# KiCad board DIP8breakout+potToUSB.kicad_pcb (continued)
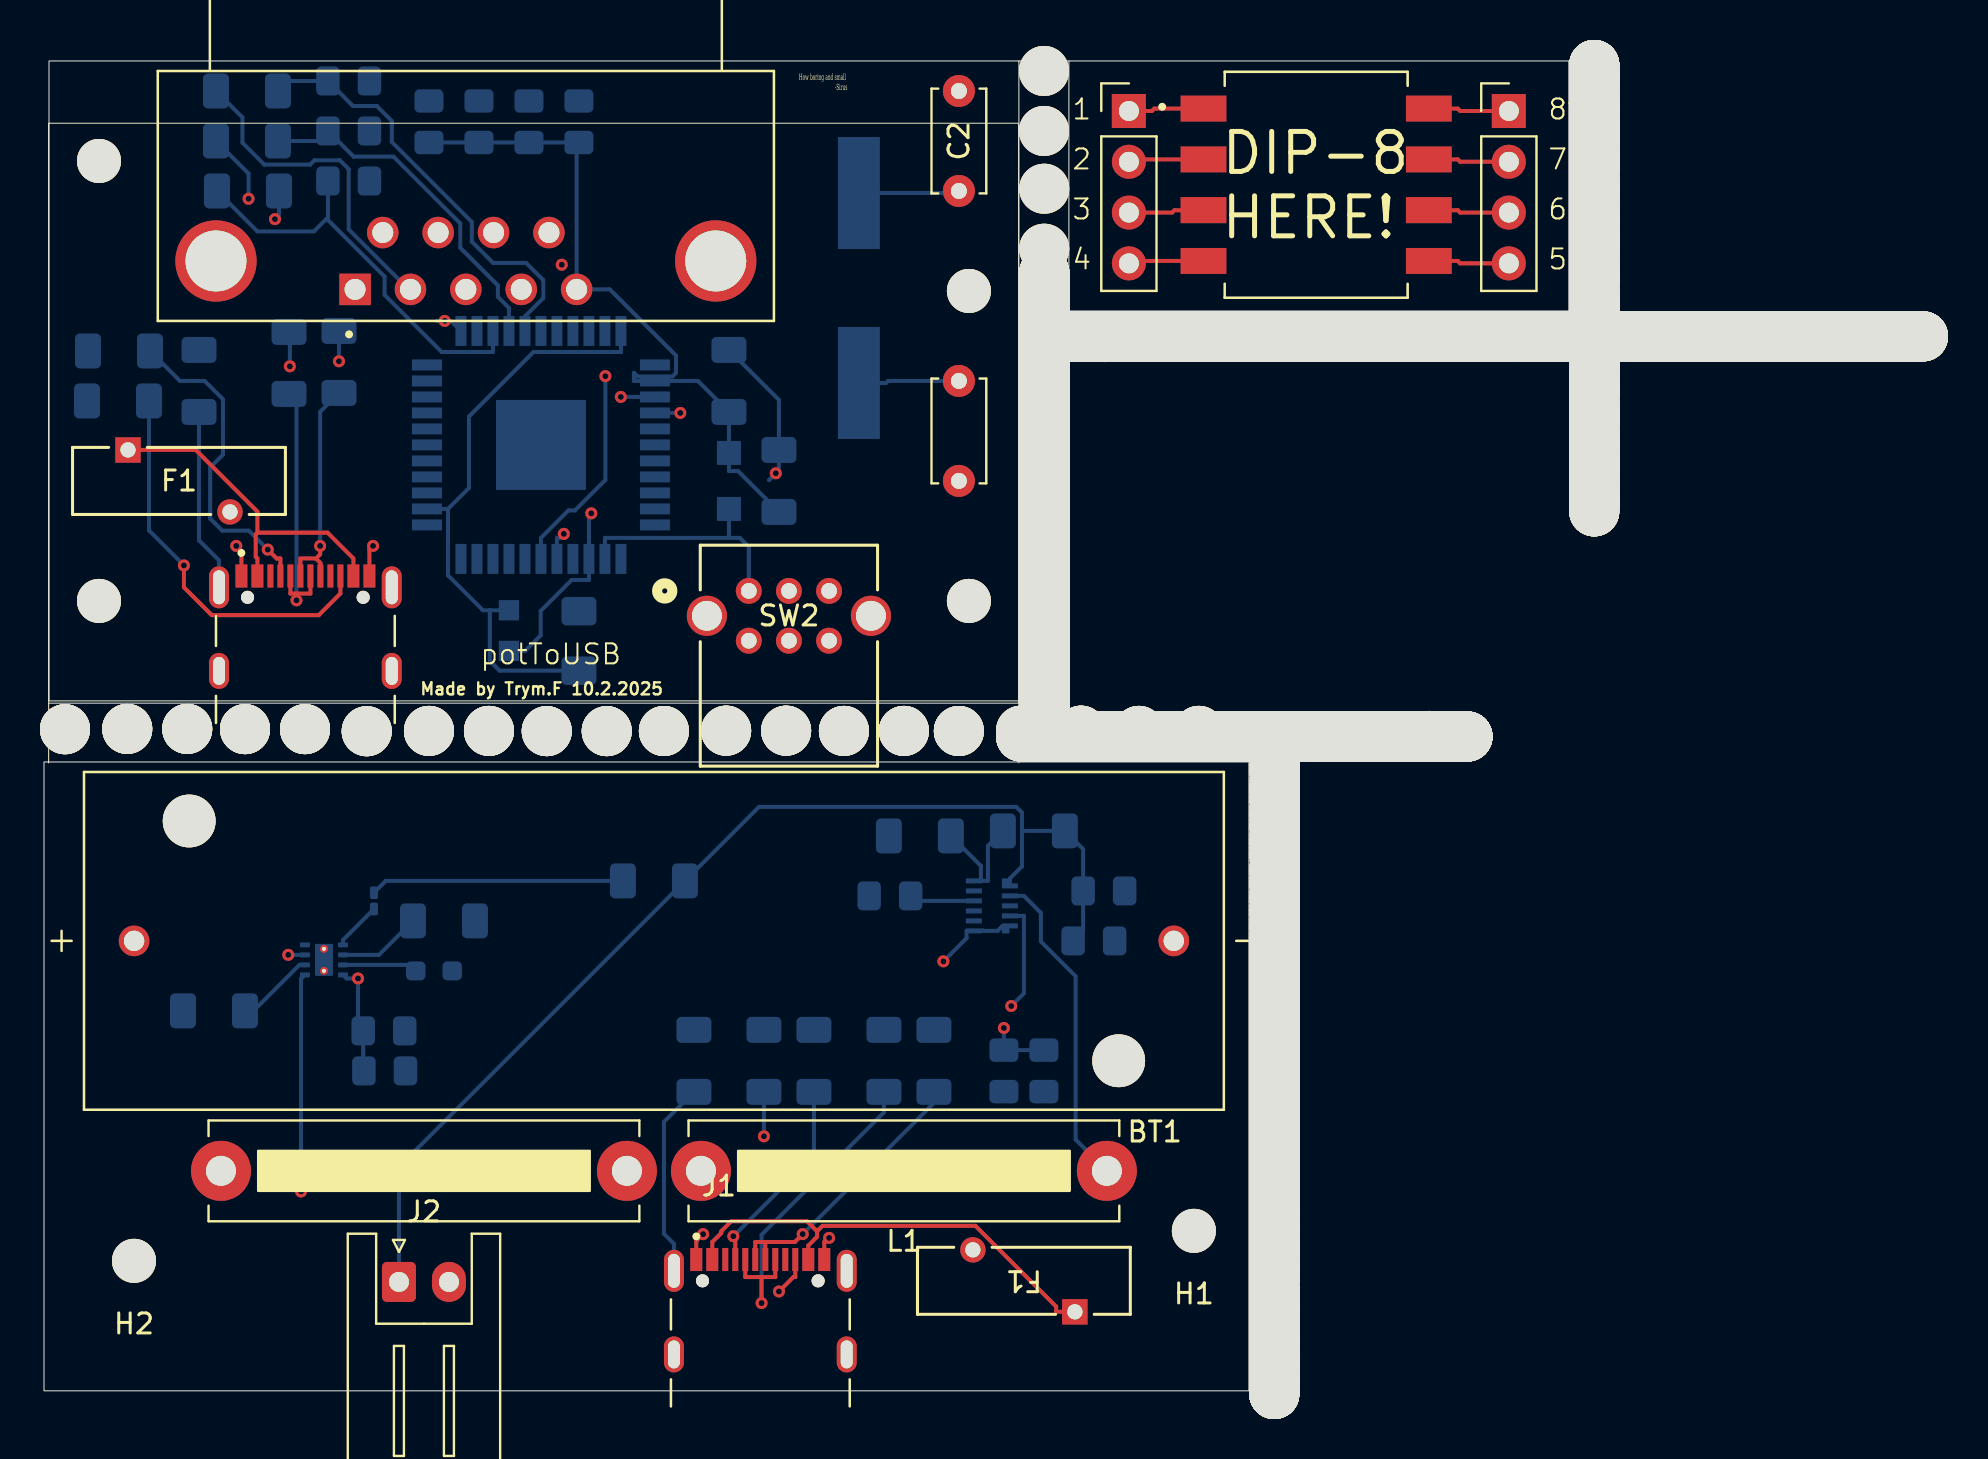
[diagram p0: board, top side]
## Placement (name value [footprint] x y rotation side) (continued)
NOREF#8726  -  [unnamed]  61.55 21.47 180 bottom
NOREF#8727  -  [unnamed]  67.4 52.73 270 bottom
NOREF#8728  -  [unnamed]  61.55 22.13 180 bottom
NOREF#8729  -  [unnamed]  76.46 52.73 270 bottom
NOREF#8730  -  [unnamed]  67.14 52.73 270 bottom
NOREF#8731  -  [unnamed]  61.52 0.9 0 bottom
NOREF#8732  -  [unnamed]  61.55 31.73 180 bottom
NOREF#8733  -  [unnamed]  50.02 49.21 180 bottom
NOREF#8734  -  [unnamed]  77.52 64.7 180 bottom
NOREF#8735  -  [unnamed]  61.55 12.97 180 bottom
NOREF#8736  -  [unnamed]  66.94 52.73 270 bottom
NOREF#8737  -  [unnamed]  61.55 23.63 180 bottom
NOREF#8738  -  [unnamed]  78.14 52.73 270 bottom
NOREF#8739  -  [unnamed]  71.44 52.73 270 bottom
NOREF#8740  -  [unnamed]  92.9 52.73 270 bottom
NOREF#8741  -  [unnamed]  85.16 52.73 270 bottom
NOREF#8742  -  [unnamed]  50.02 42.85 180 bottom
NOREF#8743  -  [unnamed]  61.55 11.87 180 bottom
NOREF#8744  -  [unnamed]  61.55 13.63 180 bottom
NOREF#8745  -  [unnamed]  50.02 38.61 180 bottom
NOREF#8746  -  [unnamed]  61.55 31.73 180 bottom
NOREF#8747  -  [unnamed]  77.52 56.3 180 bottom
NOREF#8748  -  [unnamed]  61.55 14.43 180 bottom
NOREF#8749  -  [unnamed]  59.06 32.72 90 bottom
NOREF#8750  -  [unnamed]  53.18 52.73 270 bottom
NOREF#8751  -  [unnamed]  50.02 41.03 180 bottom
NOREF#8752  -  [unnamed]  77.52 45.58 180 bottom
NOREF#8753  -  [unnamed]  50.02 37.21 180 bottom
NOREF#8754  -  [unnamed]  57.26 32.72 90 bottom
NOREF#8755  -  [unnamed]  77.52 59.26 180 bottom
NOREF#8756  -  [unnamed]  50.02 45.25 180 bottom
NOREF#8757  -  [unnamed]  61.52 4.86 0 bottom
NOREF#8758  -  [unnamed]  61.52 11.3 0 bottom
NOREF#8759  -  [unnamed]  50.02 47.31 180 bottom
NOREF#8760  -  [unnamed]  77.52 59.6 180 bottom
NOREF#8761  -  [unnamed]  66 52.73 270 bottom
NOREF#8762  -  [unnamed]  61.55 24.29 180 bottom
NOREF#8763  -  [unnamed]  61.52 20.36 0 bottom
NOREF#8764  -  [unnamed]  78.88 52.73 270 bottom
NOREF#8765  -  [unnamed]  52.48 32.72 90 bottom
NOREF#8766  -  [unnamed]  74.6 52.73 270 bottom
NOREF#8767  -  [unnamed]  61.55 29.87 180 bottom
NOREF#8768  -  [unnamed]  57.66 32.72 90 bottom
NOREF#8769  -  [unnamed]  61.52 0.5 0 bottom
NOREF#8770  -  [unnamed]  61.52 21.1 0 bottom
NOREF#8771  -  [unnamed]  61.52 7.08 0 bottom
NOREF#8772  -  [unnamed]  50.02 40.09 180 bottom
NOREF#8773  -  [unnamed]  50.02 41.49 180 bottom
NOREF#8774  -  [unnamed]  50.02 52.95 180 bottom
NOREF#8775  -  [unnamed]  77.52 58.66 180 bottom
NOREF#8776  -  [unnamed]  52.18 52.73 270 bottom
NOREF#8777  -  [unnamed]  61.55 12.77 180 bottom
NOREF#8778  -  [unnamed]  73.9 52.73 270 bottom
NOREF#8779  -  [unnamed]  50.02 47.51 180 bottom
NOREF#8780  -  [unnamed]  50.02 53.85 180 bottom
NOREF#8781  -  [unnamed]  80.9 52.73 270 bottom
NOREF#8782  -  [unnamed]  61.55 18.41 180 bottom
NOREF#8783  -  [unnamed]  51.12 32.72 90 bottom
NOREF#8784  -  [unnamed]  61.55 25.63 180 bottom
NOREF#8785  -  [unnamed]  77.52 46.44 180 bottom
NOREF#8786  -  [unnamed]  77.52 61.54 180 bottom
NOREF#8787  -  [unnamed]  77.52 58.2 180 bottom
NOREF#8788  -  [unnamed]  51.98 52.73 270 bottom
NOREF#8789  -  [unnamed]  77.52 53.44 180 bottom
NOREF#8790  -  [unnamed]  83.96 52.73 270 bottom
NOREF#8791  -  [unnamed]  59.72 32.72 90 bottom
NOREF#8792  -  [unnamed]  61.55 31.73 180 bottom
NOREF#8793  -  [unnamed]  50.02 42.65 180 bottom
NOREF#8794  -  [unnamed]  69.58 32.72 90 bottom
NOREF#8795  -  [unnamed]  62.58 52.73 270 bottom
NOREF#8796  -  [unnamed]  92.56 52.73 270 bottom
NOREF#8797  -  [unnamed]  67.2 52.73 270 bottom
NOREF#8798  -  [unnamed]  50.02 44.25 180 bottom
NOREF#8799  -  [unnamed]  51.12 32.72 90 bottom
NOREF#8800  -  [unnamed]  87.26 52.73 270 bottom
NOREF#8801  -  [unnamed]  77.52 46.64 180 bottom
NOREF#8802  -  [unnamed]  61.55 13.77 180 bottom
NOREF#8803  -  [unnamed]  77.52 57.9 180 bottom
NOREF#8804  -  [unnamed]  61.52 16.12 0 bottom
NOREF#8805  -  [unnamed]  61.52 12.16 0 bottom
NOREF#8806  -  [unnamed]  61.55 16.85 180 bottom
NOREF#8807  -  [unnamed]  69.58 32.72 90 bottom
NOREF#8808  -  [unnamed]  56.5 32.72 90 bottom
NOREF#8809  -  [unnamed]  84.5 52.73 270 bottom
NOREF#8810  -  [unnamed]  90.34 52.73 270 bottom
NOREF#8811  -  [unnamed]  77.52 56.3 180 bottom
NOREF#8812  -  [unnamed]  4.16 33.1 90 bottom
NOREF#8813  -  [unnamed]  77.52 63.34 180 bottom
NOREF#8814  -  [unnamed]  48.86 33.01 90 bottom
NOREF#8815  -  [unnamed]  77.52 58.86 180 bottom
NOREF#8816  -  [unnamed]  59.92 52.73 270 bottom
NOREF#8817  -  [unnamed]  82.5 52.73 270 bottom
NOREF#8818  -  [unnamed]  77.52 57.7 180 bottom
NOREF#8819  -  [unnamed]  61.52 5.06 0 bottom
NOREF#8820  -  [unnamed]  77.52 50.48 180 bottom
NOREF#8821  -  [unnamed]  77.52 60 180 bottom
NOREF#8822  -  [unnamed]  79.94 52.73 270 bottom
NOREF#8823  -  [unnamed]  61.52 15.46 0 bottom
NOREF#8824  -  [unnamed]  62.78 52.73 270 bottom
NOREF#8825  -  [unnamed]  63.48 32.72 90 bottom
NOREF#8826  -  [unnamed]  77.52 55.44 180 bottom
NOREF#8827  -  [unnamed]  61.52 21.3 0 bottom
NOREF#8828  -  [unnamed]  93.36 52.73 270 bottom
NOREF#8829  -  [unnamed]  77.52 66.1 180 bottom
NOREF#8830  -  [unnamed]  61.55 13.23 180 bottom
NOREF#8831  -  [unnamed]  61.55 24.69 180 bottom
NOREF#8832  -  [unnamed]  50.02 53.25 180 bottom
NOREF#8833  -  [unnamed]  77.52 53.98 180 bottom
NOREF#8834  -  [unnamed]  78.68 52.73 270 bottom
NOREF#8835  -  [unnamed]  53.42 32.72 90 bottom
NOREF#8836  -  [unnamed]  73.44 52.73 270 bottom
NOREF#8837  -  [unnamed]  51.52 52.73 270 bottom
NOREF#8838  -  [unnamed]  91.7 52.73 270 bottom
NOREF#8839  -  [unnamed]  54.94 52.73 270 bottom
NOREF#8840  -  [unnamed]  54.7 32.72 90 bottom
NOREF#8841  -  [unnamed]  77.52 54.64 180 bottom
NOREF#8842  -  [unnamed]  77.52 59.8 180 bottom
NOREF#8843  -  [unnamed]  62.78 52.73 270 bottom
NOREF#8844  -  [unnamed]  72.7 52.73 270 bottom
NOREF#8845  -  [unnamed]  77.52 59.6 180 bottom
NOREF#8846  -  [unnamed]  61.52 3 0 bottom
NOREF#8847  -  [unnamed]  58.76 52.73 270 bottom
NOREF#8848  -  [unnamed]  61.55 24.69 180 bottom
NOREF#8849  -  [unnamed]  89.2 52.73 270 bottom
NOREF#8850  -  [unnamed]  73.9 52.73 270 bottom
NOREF#8851  -  [unnamed]  61.52 6.54 0 bottom
NOREF#8852  -  [unnamed]  88.54 52.73 270 bottom
NOREF#8853  -  [unnamed]  63.08 32.72 90 bottom
NOREF#8854  -  [unnamed]  61.55 15.25 180 bottom
NOREF#8855  -  [unnamed]  61.55 13.97 180 bottom
NOREF#8856  -  [unnamed]  50.02 34.45 180 bottom
NOREF#8857  -  [unnamed]  50.02 40.83 180 bottom
NOREF#8858  -  [unnamed]  93.96 52.73 270 bottom
NOREF#8859  -  [unnamed]  56.76 32.72 90 bottom
NOREF#8860  -  [unnamed]  61.55 10.27 180 bottom
NOREF#8861  -  [unnamed]  53.88 32.72 90 bottom
NOREF#8862  -  [unnamed]  80.44 52.73 270 bottom
NOREF#8863  -  [unnamed]  50.02 44.45 180 bottom
NOREF#8864  -  [unnamed]  61.52 7.28 0 bottom
NOREF#8865  -  [unnamed]  61.52 18.54 0 bottom
NOREF#8866  -  [unnamed]  61.52 7.74 0 bottom
NOREF#8867  -  [unnamed]  65.14 32.72 90 bottom
NOREF#8868  -  [unnamed]  50.02 46.85 180 bottom
NOREF#8869  -  [unnamed]  53.58 52.73 270 bottom
NOREF#8870  -  [unnamed]  61.55 12.57 180 bottom
NOREF#8871  -  [unnamed]  50.02 41.03 180 bottom
NOREF#8872  -  [unnamed]  77.52 47.34 180 bottom
NOREF#8873  -  [unnamed]  63.74 32.72 90 bottom
NOREF#8874  -  [unnamed]  67.4 52.73 270 bottom
NOREF#8875  -  [unnamed]  55.1 32.72 90 bottom
NOREF#8876  -  [unnamed]  61.55 31.07 180 bottom
NOREF#8877  -  [unnamed]  61.52 4.4 0 bottom
NOREF#8878  -  [unnamed]  50.86 32.72 90 bottom
NOREF#8879  -  [unnamed]  61.52 21.96 0 bottom
NOREF#8880  -  [unnamed]  61.55 17.51 180 bottom
NOREF#8881  -  [unnamed]  50.02 49.87 180 bottom
NOREF#8882  -  [unnamed]  77.52 46.24 180 bottom
NOREF#8883  -  [unnamed]  77.52 59.8 180 bottom
NOREF#8884  -  [unnamed]  50.02 52.75 180 bottom
NOREF#8885  -  [unnamed]  61.55 17.05 180 bottom
NOREF#8886  -  [unnamed]  64.84 52.73 270 bottom
NOREF#8887  -  [unnamed]  93.1 52.73 270 bottom
NOREF#8888  -  [unnamed]  61.55 24.69 180 bottom
NOREF#8889  -  [unnamed]  50.02 54.85 180 bottom
NOREF#8890  -  [unnamed]  61.52 10.5 0 bottom
NOREF#8891  -  [unnamed]  61.52 2.6 0 bottom
NOREF#8892  -  [unnamed]  61.55 15.65 180 bottom
NOREF#8893  -  [unnamed]  61.52 16.32 0 bottom
NOREF#8894  -  [unnamed]  75.26 52.73 270 bottom
NOREF#8895  -  [unnamed]  77.52 64.5 180 bottom
NOREF#8896  -  [unnamed]  77.52 45.58 180 bottom
NOREF#8897  -  [unnamed]  77.52 47.8 180 bottom
NOREF#8898  -  [unnamed]  61.55 23.53 180 bottom
NOREF#8899  -  [unnamed]  75.46 52.73 270 bottom
NOREF#8900  -  [unnamed]  66.42 32.72 90 bottom
NOREF#8901  -  [unnamed]  69.58 32.72 90 bottom
NOREF#8902  -  [unnamed]  61.55 15.03 180 bottom
NOREF#8903  -  [unnamed]  61.55 28.11 180 bottom
NOREF#8904  -  [unnamed]  62.58 32.72 90 bottom
NOREF#8905  -  [unnamed]  56.76 52.73 270 bottom
NOREF#8906  -  [unnamed]  61.55 26.51 180 bottom
NOREF#8907  -  [unnamed]  61.55 11.41 180 bottom
NOREF#8908  -  [unnamed]  61.55 19.27 180 bottom
NOREF#8909  -  [unnamed]  61.52 1.9 0 bottom
NOREF#8910  -  [unnamed]  61.52 17.14 0 bottom
NOREF#8911  -  [unnamed]  65.54 52.73 270 bottom
NOREF#8912  -  [unnamed]  70.48 52.73 270 bottom
NOREF#8913  -  [unnamed]  70.68 52.73 270 bottom
NOREF#8914  -  [unnamed]  53.88 32.72 90 bottom
NOREF#8915  -  [unnamed]  61.55 11.01 180 bottom
NOREF#8916  -  [unnamed]  89.6 52.73 270 bottom
NOREF#8917  -  [unnamed]  68.02 32.72 90 bottom
NOREF#8918  -  [unnamed]  61.52 14.06 0 bottom
NOREF#8919  -  [unnamed]  61.55 17.05 180 bottom
NOREF#8920  -  [unnamed]  51.86 33.01 90 bottom
NOREF#8921  -  [unnamed]  50.02 51.55 180 bottom
NOREF#8922  -  [unnamed]  57.16 52.73 270 bottom
NOREF#8923  -  [unnamed]  50.02 43.59 180 bottom
NOREF#8924  -  [unnamed]  77.52 58.2 180 bottom
NOREF#8925  -  [unnamed]  57.62 52.73 270 bottom
NOREF#8926  -  [unnamed]  61.52 6.74 0 bottom
NOREF#8927  -  [unnamed]  53.02 32.72 90 bottom
NOREF#8928  -  [unnamed]  50.02 48.01 180 bottom
NOREF#8929  -  [unnamed]  50.02 39.43 180 bottom
NOREF#8930  -  [unnamed]  75.8 52.73 270 bottom
NOREF#8931  -  [unnamed]  77.52 45.04 180 bottom
NOREF#8932  -  [unnamed]  61.55 16.31 180 bottom
NOREF#8933  -  [unnamed]  49.72 32.72 90 bottom
NOREF#8934  -  [unnamed]  61.52 0.24 0 bottom
NOREF#8935  -  [unnamed]  77.52 62.68 180 bottom
NOREF#8936  -  [unnamed]  77.52 63.14 180 bottom
NOREF#8937  -  [unnamed]  61.55 29.67 180 bottom
NOREF#8938  -  [unnamed]  67.36 32.72 90 bottom
NOREF#8939  -  [unnamed]  55.48 52.73 270 bottom
NOREF#8940  -  [unnamed]  77.52 65.24 180 bottom
NOREF#8941  -  [unnamed]  61.52 1.1 0 bottom
NOREF#8942  -  [unnamed]  86.26 52.73 270 bottom
NOREF#8943  -  [unnamed]  61.55 24.03 180 bottom
NOREF#8944  -  [unnamed]  55.14 52.73 270 bottom
NOREF#8945  -  [unnamed]  62.58 32.72 90 bottom
NOREF#8946  -  [unnamed]  93.56 52.73 270 bottom
NOREF#8947  -  [unnamed]  51.32 52.73 270 bottom
NOREF#8948  -  [unnamed]  50.02 41.99 180 bottom
NOREF#8949  -  [unnamed]  91.5 52.73 270 bottom
NOREF#8950  -  [unnamed]  68.92 32.72 90 bottom
NOREF#8951  -  [unnamed]  61.52 8.44 0 bottom
NOREF#8952  -  [unnamed]  57.75 33 90 bottom
NOREF#8953  -  [unnamed]  61.55 21.93 180 bottom
NOREF#8954  -  [unnamed]  50.02 46.45 180 bottom
NOREF#8955  -  [unnamed]  50.02 40.09 180 bottom
NOREF#8956  -  [unnamed]  61.55 15.85 180 bottom
NOREF#8957  -  [unnamed]  50.02 39.43 180 bottom
NOREF#8958  -  [unnamed]  50.02 43.99 180 bottom
NOREF#8959  -  [unnamed]  55.56 32.72 90 bottom
NOREF#8960  -  [unnamed]  63.24 52.73 270 bottom
NOREF#8961  -  [unnamed]  89.94 52.73 270 bottom
NOREF#8962  -  [unnamed]  61.52 16.32 0 bottom
NOREF#8963  -  [unnamed]  67.16 32.72 90 bottom
NOREF#8964  -  [unnamed]  66 52.73 270 bottom
NOREF#8965  -  [unnamed]  71.84 52.73 270 bottom
NOREF#8966  -  [unnamed]  66.36 32.72 90 bottom
NOREF#8967  -  [unnamed]  50.02 35.19 180 bottom
NOREF#8968  -  [unnamed]  55.9 32.72 90 bottom
NOREF#8969  -  [unnamed]  77.52 63.64 180 bottom
NOREF#8970  -  [unnamed]  52.52 52.73 270 bottom
NOREF#8971  -  [unnamed]  50.02 35.65 180 bottom
NOREF#8972  -  [unnamed]  50.02 42.39 180 bottom
NOREF#8973  -  [unnamed]  61.55 16.65 180 bottom
NOREF#8974  -  [unnamed]  50.02 43.05 180 bottom
NOREF#8975  -  [unnamed]  61.55 29.47 180 bottom
NOREF#8976  -  [unnamed]  55.76 32.72 90 bottom
NOREF#8977  -  [unnamed]  61.52 4.2 0 bottom
NOREF#8978  -  [unnamed]  57.46 32.72 90 bottom
NOREF#8979  -  [unnamed]  61.52 2.8 0 bottom
NOREF#8980  -  [unnamed]  77.52 66.1 180 bottom
R1  10K  [R_1206_3216Metric_Pad1.30x1.75mm_HandSolder]  36.75 45.5 270 bottom
R1#2  1M  [R_1206_3216Metric_Pad1.30x1.75mm_HandSolder]  32.5 16.5 90 bottom
R2  56K  [R_1206_3216Metric_Pad1.30x1.75mm_HandSolder]  36 16.5 90 bottom
R2#2  56K  [R_1206_3216Metric_Pad1.30x1.75mm_HandSolder]  3.75 52 0 bottom
R3  56K  [R_1206_3216Metric_Pad1.30x1.75mm_HandSolder]  3.7 49.5 0 bottom
R3#2  56K  [R_1206_3216Metric_Pad1.30x1.75mm_HandSolder]  38.5 16.5 90 bottom
R4  10K  [R_1206_3216Metric_Pad1.30x1.75mm_HandSolder]  44.5 16.5 90 bottom
R4#2  1M  [R_1206_3216Metric_Pad1.30x1.75mm_HandSolder]  7.75 50.5 90 bottom
R5  22  [R_1206_3216Metric_Pad1.30x1.75mm_HandSolder]  14.75 51.45 90 bottom
R5#2  10K  [R_1206_3216Metric_Pad1.30x1.75mm_HandSolder]  42 16.5 90 bottom
R6  22  [R_1206_3216Metric_Pad1.30x1.75mm_HandSolder]  12.25 51.4 90 bottom
R6#2  62K +- 1%  [R_0603_1608Metric_Pad0.98x0.95mm_HandSolder]  19.5 21 180 bottom
R7  1K  [R_1206_3216Metric_Pad1.30x1.75mm_HandSolder]  8.5 19 0 bottom
R7#2  10K  [R_1206_3216Metric_Pad1.30x1.75mm_HandSolder]  10.2 60 180 bottom
R8  10K  [R_1206_3216Metric_Pad1.30x1.75mm_HandSolder]  10.15 62.5 180 bottom
R8#2  24K  [R_1206_3216Metric_Pad1.30x1.75mm_HandSolder]  20 23.5 0 bottom
R9  103AT-2  [R_Bare_Metal_Element_L21.3mm_W4.8mm_P20.30mm]  29.15 11 180 top
R9#2  10K  [R_1206_3216Metric_Pad1.30x1.75mm_HandSolder]  10.15 65 180 bottom
R10  10K  [R_1206_3216Metric_Pad1.30x1.75mm_HandSolder]  30.5 25.5 0 bottom
R10#2  10K  [R_1206_3216Metric_Pad1.30x1.75mm_HandSolder]  34.25 50.5 90 bottom
R11  560K  [R_1206_3216Metric_Pad1.30x1.75mm_HandSolder]  49.5 28 0 bottom
R12  100K  [R_1206_3216Metric_Pad1.30x1.75mm_HandSolder]  43.8 27.75 0 bottom
SW2  OS202011MA0QS1  [SW6_OS202011MA0QS1_CNK]  35.24 40 0 top
U1  BQ25172DSGR  [IC_BQ25172DSGR]  14 21.55 0 bottom
U1#2  ATMEGA32U4-AU  [TQFP-44-1EP_10x10mm_P0.8mm_EP4.5x4.5mm]  24.85 47.3 180 bottom
U2  MP28164GD-Z  [QFN-11_MP28164_MNP]  47.4 24.25 0 bottom
Y1  10MHz  [XTAL_ABLS2-8.000MHZ-D4Y-T]  40.75 55.15 90 bottom

## Library data of the parts
BT1 = -: Datasheet: https://www.keyelco.com/userAssets/file/M65p28.pdf; Description: Ladda batteri; PARTREV: B; STANDARD: Manufacturer Recommendations; MAXIMUM_PACKAGE_HEIGHT: 14.14mm; MANUFACTURER: Keystone
C1 C1#2 C2 C2#2 C3 C3#2 C4 C4#2 C5 C5#2 C6 C6#2 C7 = -: Description: Unpolarized capacitor; ki_fp_filters: C_*
C8-C11 = -: Description: Unpolarized capacitor
D1 = -: Description: Light emitting diode; Sim.Pins: 1=K 2=A; ki_fp_filters: LED* LED_SMD:* LED_THT:*
D1#2 = -: Description: Diode; Sim.Device: D; Sim.Pins: 1=K 2=A; ki_fp_filters: TO-???* *_Diode_* *SingleDiode* D_*
F1 F1#2 = -: ki_fp_filters: FUS_MF-R075_BRN
FB2 = -: MPN: MH2029-300Y
H1 H1#2 H2 H2#2 H3 H4 H10#11 = -: Description: Mounting Hole without connection; ki_fp_filters: MountingHole*
H10 H10#2-H10#10 H10#12-H10#1823 = -: Description: Mounting Hole without connection
J1 J3#2 = -: PARTREV: 1.0; MANUFACTURER: Same Sky; MAXIMUM_PACKAGE_HEIGHT: 3.46mm; STANDARD: Manufacturer Recommendations
J1#2 J2 = -: Description: Generic connector, single row, 01x04, script generated; ki_fp_filters: Connector*:*_1x??_*
J2#2 = -: PARTREV: 05; MANUFACTURER: Assmann WSW Components; MAXIMUM_PACKAGE_HEIGHT: 12.8mm; STANDARD: Manufacturer Recommendations
J2#3 = -: Description: Generic connector, single row, 01x02, script generated (kicad-library-utils/schlib/autogen/connector/); ki_fp_filters: Connector*:*_1x??_*
J3 = -: Description: Generic connector, double row, 02x04, row letter first pin numbering scheme (pin number consists of a letter for the row and a number for the pin index in this row. a1, ..., aN; b1, ..., bN), script generated (kicad-library-utils/schlib/autogen/connector/); ki_fp_filters: Connector*:*_2x??_*
L1 = -: Description: Inductor; ki_fp_filters: Choke_* *Coil* Inductor_* L_*
R1 R1#2 R2 R2#2 R3 R3#2 R4 R4#2 R5 R5#2 R6 R6#2 R7 R8#2 R10 R10#2 R11 R12 = -: Description: Resistor; ki_fp_filters: R_*
R7#2 R8 R9#2 = -: Description: Resistor
R9 = -: Datasheet: https://www.semitec-global.com/uploads/2022/01/P12-13-AT-Thermistor.pdf; Description: Resistor; ki_fp_filters: R_*
SW2 = -: ki_fp_filters: SW6_OS202011MA0QS1_CNK
U1 = -: Datasheet: https://www.ti.com/lit/ds/symlink/bq25172.pdf; PARTREV: June 2022; STANDARD: Manufacturer Recommendations; MAXIMUM_PACKAGE_HEIGHT: 0.8mm; MANUFACTURER: Texas Instruments
U1#2 = -: MF: Microchip Technology; Description_1: Microcontroller, USB controller 16/32K of ISP flash, TQFP44 industrial, 8-bit | Microchip Technology Inc. ATMEGA32U4-AU; Package: TQFP-44 Microchip; Price: None; Check_prices: https://www.snapeda.com/parts/ATMEGA32U4-AU/Microchip+Technology/view-part/?ref=eda; SnapEDA_Link: https://www.snapeda.com/parts/ATMEGA32U4-AU/Microchip+Technology/view-part/?ref=snap; Availability: In Stock; MANUFACTURER: Atmel
U2 = -: Datasheet: https://www.monolithicpower.com/en/documentview/productdocument/index/version/2/document_type/Datasheet/lang/en/sku/MP28164GD-Z; ki_fp_filters: QFN-11_MP28164_MNP
Y1 = -: Description: Two pin crystal; ki_fp_filters: Crystal*

## Footprints (pads in the part's own frame, mm; a bottom-side part is the same pattern mirrored in y, then rotated)
ASSMANN_A-DF_09_A_KG-T4S
  rect 1.575x1.575 hole 1.05: 1(0,0)
  round 1.575 hole 1.05: 2(-2.77,0) 3(-5.54,0) 4(-8.31,0) 5(-11.08,0) 6(-1.385,-2.84) 7(-4.155,-2.84) 8(-6.925,-2.84) 9(-9.695,-2.84)
  round 4.066 hole 3.05: S1(-18.035,-1.42) S2(6.955,-1.42)
BAT_2460
  round 2.64 hole 2.64 unplated: (-23.24,5.995) (23.24,-5.995)
  round 1.53 hole 1.02: N(-25.995,0) P(25.995,0)
C_0805_2012Metric_Pad1.18x1.45mm_HandSolder
  rrect 1.175x1.45 smd: 1(-1.038,0) 2(1.038,0)
C_Disc_D5.0mm_W2.5mm_P5.00mm
  round 1.6 hole 0.8: 1(0,0) 2(5,0)
FUS_MF-R075_BRN
  rect 1.27x1.27 hole 0.762: 1(0,0)
  round 1.27 hole 0.762: 2(5.1,-3.1)
IC_BQ25172DSGR
  rrect 0.5x0.25 smd: 1(-0.95,0.75) 2(-0.95,0.25) 3(-0.95,-0.25) 4(-0.95,-0.75) 5(0.95,-0.75) 6(0.95,-0.25) 7(0.95,0.25) 8(0.95,0.75)
  rrect 0.9x1.6 smd: 9(0,0)
  round 0.4 hole 0.2: 10(0,0.55) 11(0,-0.55)
IND_BOURNS_MH2029
  rect 1.016x1.016 smd: 1(-1.016,0) 2(1.016,0)
JST_XH_S2B-XH-A_1x02_P2.50mm_Horizontal
  rrect 1.7x2 hole 1: 1(0,0)
  oval 1.7x2 hole 1: 2(2.5,0)
L_1206_3216Metric_Pad1.42x1.75mm_HandSolder
  rrect 1.425x1.75 smd: 1(-1.488,0) 2(1.488,0)
LED_0201_0603Metric_Pad0.64x0.40mm_HandSolder
  rrect 0.458x0.36 smd: (-0.432,0) (0.432,0)
  rrect 0.635x0.4 smd: 1(-0.407,0) 2(0.407,0)
MountingHole_2.2mm_M2
  round 2.2 hole 2.2 unplated: (0,0)
MountingHole_2.5mm
  round 2.5 hole 2.5 unplated: (0,0)
Nexperia_CFP3_SOD-123W
  rect 1.2x1.2 smd: 1(-1.4,0) 2(1.4,0)
OPTO_HCNR200-500E
  rect 2.29x1.3 smd: 1(-5.635,3.81) 2(-5.635,1.27) 3(-5.635,-1.27) 4(-5.635,-3.81) 5(5.635,-3.81) 6(5.635,-1.27) 7(5.635,1.27) 8(5.635,3.81)
PinHeader_1x04_P2.54mm_Vertical
  rect 1.7x1.7 hole 1: 1(0,0)
  round 1.7 hole 1: 2(0,-2.54) 3(0,-5.08) 4(0,-7.62)
QFN-11_MP28164_MNP
  rect 0.127x0.127 smd: 1(-0.9,1.25) 7(0.9,-1) 11(0.9,1)
  rect 0.8x0.25 smd: 2(-0.9,0.75) 3(-0.9,0.25) 4(-0.9,-0.25) 5(-0.9,-0.75) 6(-0.9,-1.25) 8(0.9,-0.5) 9(0.9,0) 10(0.9,0.5)
R_0603_1608Metric_Pad0.98x0.95mm_HandSolder
  rrect 0.975x0.95 smd: 1(-0.912,0) 2(0.912,0)
R_1206_3216Metric_Pad1.30x1.75mm_HandSolder
  rrect 1.3x1.75 smd: 1(-1.55,0) 2(1.55,0)
R_Bare_Metal_Element_L21.3mm_W4.8mm_P20.30mm
  round 3 hole 1.5: 1(0,0) 2(20.3,0)
SAMESKY_UJ20-C-H-G-SMT-1-P16-TR
  round 0.65 hole 0.65 unplated: (-2.89,6.28) (2.89,6.28)
  rect 0.6x1.15 smd: A1_B12(-3.2,7.345) A4_B9(-2.4,7.345) B1_A12(3.2,7.345) B4_A9(2.4,7.345)
  rect 0.3x1.15 smd: A5(-1.25,7.345) A6(-0.25,7.345) A7(0.25,7.345) A8(1.25,7.345) B5(1.75,7.345) B6(0.75,7.345) B7(-0.75,7.345) B8(-1.75,7.345)
  oval 1x2.1 hole 0.6x1.7: SH1(-4.32,6.78) SH2(4.32,6.78)
  oval 1x1.8 hole 0.6x1.4: SH3(-4.32,2.6) SH4(4.32,2.6)
SW6_OS202011MA0QS1_CNK
  round 1.295 hole 0.787: 1(0,0) 2(2.007,0) 3(4.013,0) 4(0,-2.489) 5(2.007,-2.489) 6(4.013,-2.489)
  round 2.007 hole 1.499: 7(-2.095,-1.245) 8(6.109,-1.245)
TQFP-44-1EP_10x10mm_P0.8mm_EP4.5x4.5mm
  rect 1.16x1.16 smd: (-1.5,-1.5) (-1.5,0) (-1.5,1.5) (0,-1.5) (0,0) (0,1.5) (1.5,-1.5) (1.5,0) (1.5,1.5)
  rect 1.5x0.55 smd: 1(-5.7,4) 2(-5.7,3.2) 3(-5.7,2.4) 4(-5.7,1.6) 5(-5.7,0.8) 6(-5.7,0) 7(-5.7,-0.8) 8(-5.7,-1.6) 9(-5.7,-2.4) 10(-5.7,-3.2) 11(-5.7,-4) 23(5.7,-4) 24(5.7,-3.2) 25(5.7,-2.4) 26(5.7,-1.6) 27(5.7,-0.8) 28(5.7,0) 29(5.7,0.8) 30(5.7,1.6) 31(5.7,2.4) 32(5.7,3.2) 33(5.7,4)
  rect 0.55x1.5 smd: 12(-4,-5.7) 13(-3.2,-5.7) 14(-2.4,-5.7) 15(-1.6,-5.7) 16(-0.8,-5.7) 17(0,-5.7) 18(0.8,-5.7) 19(1.6,-5.7) 20(2.4,-5.7) 21(3.2,-5.7) 22(4,-5.7) 34(4,5.7) 35(3.2,5.7) 36(2.4,5.7) 37(1.6,5.7) 38(0.8,5.7) 39(0,5.7) 40(-0.8,5.7) 41(-1.6,5.7) 42(-2.4,5.7) 43(-3.2,5.7) 44(-4,5.7)
  rect 4.5x4.5 smd: 45(0,0)
unnamed
  round 2.5 hole 2.5 unplated: (0,0)
XTAL_ABLS2-8.000MHZ-D4Y-T
  rect 5.6x2.1 smd: 1(-4.75,0) 2(4.75,0)

## Nets
+5V: C1#2.1 C2#2.1 C3.1 C4.1 C5#2.1 C6.1 D1#2.1 F1.2 F1#2.2 FB2.1 J2#2.5 R1.2 R10#2.1 U1.1 U1#2.2 U1#2.14 U1#2.34
+5VL: C4#2.1 C5.1 J2#3.1 R10.2 R11.2 U2.7
/AVCC: C8.1 FB2.2 U1#2.24 U1#2.44
GND: BT1.N C1.2 C1#2.2 C2.1 C2#2.2 C3.2 C3#2.1 C4.2 C4#2.2 C5.2 C5#2.2 C6.2 C6#2.2 C7.2 C8.2 C9.2 C10.2 C11.2 J1.A1_B12 J1.B1_A12 J2#2.S1 J2#2.S2 J2#3.2 J3#2.A1_B12 J3#2.B1_A12 R1#2.2 R2.2 R2#2.1 R3.1 R3#2.2 R4.2 R4#2.2 R5#2.2 R6#2.1 R7.1 R8#2.2 R9.2 R12.1 SW2.6 U1.4 U1#2.15 U1#2.23 U1#2.35 U1#2.43 U2.2 U2.5 U2.9
/D+: R6.2 U1#2.4
/D-: R5.2 U1#2.3
/Pedal1: C9.1 R7#2.2 U1#2.36
/Pedal2: C10.1 R8.1 U1#2.37
/Pedal3: C11.1 R9#2.1 U1#2.38
/Reset: D1#2.2 R1.1 R10#2.2 SW2.1 U1#2.13
Net-(D1-A): D1.2 R10.1
Net-(D1-K): D1.1 U1.5
Net-(J1-CC1): J1.A5 R3#2.1
Net-(J1-CC2): J1.B5 R2.1
Net-(J1-DN1): J1.A6 J1.A7 R4.1
Net-(J1-DN2): J1.B6 J1.B7 R5#2.1
Net-(J1-Pin_1): J1#2.1 J3.1
Net-(J1-Pin_2): J1#2.2 J3.2
Net-(J1-Pin_3): J1#2.3 J3.3
Net-(J1-Pin_4): J1#2.4 J3.4
Net-(J1-SHIELD): J1.SH1 J1.SH2 J1.SH3 J1.SH4 R1#2.1
Net-(J1-VBUS): F1#2.1 J1.A4_B9 J1.B4_A9
Net-(J2-Pad2): J2#2.2 R9#2.2
Net-(J2-Pad3): J2#2.3 R8.2
Net-(J2-Pad4): J2#2.4 R7#2.1
Net-(J2-Pin_1): J2.1 J3.8
Net-(J2-Pin_2): J2.2 J3.7
Net-(J2-Pin_3): J2.3 J3.6
Net-(J2-Pin_4): J2.4 J3.5
Net-(J3-CC1): J3#2.A5 R2#2.2
Net-(J3-CC2): J3#2.B5 R3.2
Net-(J3-DN1): J3#2.A7 J3#2.B7 R6.1
Net-(J3-DP1): J3#2.A6 J3#2.B6 R5.1
Net-(J3-SHIELD): J3#2.SH1 J3#2.SH2 J3#2.SH3 J3#2.SH4 R4#2.1
Net-(J3-VBUS): F1.1 J3#2.A4_B9 J3#2.B4_A9
Net-(U1-ISET): R7.2 U1.2
Net-(U1-OUT): BT1.P C3#2.2 C6#2.1 U1.8 U2.1 U2.11
Net-(U1-TMR): R8#2.1 U1.6
Net-(U1-TS): R9.1 U1.3
Net-(U1-VSET): R6#2.2 U1.7
Net-(U1-XTAL1): C1.1 U1#2.17 Y1.1
Net-(U1-XTAL2): C2.2 U1#2.16 Y1.2
Net-(U2-FB): R11.1 R12.2 U2.6
Net-(U2-SW1): L1.2 U2.10
Net-(U2-SW2): L1.1 U2.8
Net-(U2-VCC): C7.1 U2.4

Pads without a net: J1 A8 B8; J2#2 1 6 7 8 9; J3#2 A8 B8; SW2 2 3 4 5 7 8; U1 9 10 11; U1#2 1 5 6 7 8 9 10 11 12 18 19 20 21 22 25 26 27 28 29 30 31 32 33 39 40 41 42 45; U2 3

## Via types
v1: diameter 0.6, hole 0.3, Top to Bottom, 31 vias

## Routing (per net, layer and track width the routed paths; a pad name or vN(x,y) marks a point on that pad's centre or on a via; arc(x,y) is an arc through that point)
+5V: length 146.1
  In1.Cu w0.2: v1(48,18.14) 48,18.18 48,8.6 F1#2.2 ; v1(27.37,43.88) 27.37,54.35 26.63,55.08
  In2.Cu w0.2: v1(12.85,9.97) 14.06,8.76 44.74,8.76 F1#2.2 ; 26.63,55.08 25.06,53.5 19.64,53.5 v1(20.04,53.5) ; F1.2 27.3,43.95 v1(27.37,43.88)
  Bottom w0.2: v1(12.85,9.97) 12.85,20.6 U1.1 ; v1(20.04,53.5) 19.64,53.5 20.35,53.5 U1#2.34 ; C2#2.1 C1#2.1 48,18.18 v1(48,18.14) ; 26.63,62.42 19.25,62.42 ; 26.63,62.42 26.63,55.08 28.3,55.08 31.6,51.77 31.6,50.9 31.43,50.72 29.68,50.72 29.5,50.9 29.5,50.89 29.5,50.5 U1#2.2 32.7,50.5 R10#2.1 D1#2.1 34.25,46 34.7,46 R1.2 ; 26.63,62.42 26.75,62.42 ; FB2.1 24.06,37 24.84,37.78 24.84,39 26.38,40.55 27.25,40.55 U1#2.14 27.25,43.76 v1(27.37,43.88)
+5VL: length 56.6
  Bottom w0.2: 48.9,28 48.9,28.92 48.62,29.2 35.75,29.2 R10.2 17.75,11.2 J2#3.1 ; 48.9,28 48.9,26.22 48.3,25.62 U2.7 ; 48.9,28 R11.2 51.96,27.09 C4#2.1 51.96,23 C5.1
/AVCC: length 30.4
  Bottom w0.2: C8.1 22.78,36.01 22.29,36.5 22.29,39.03 ; 20.2,44.1 21.25,45.15 21.25,48.72 24.48,51.95 28.85,51.95 U1#2.44 ; 20.2,44.1 20.2,44.1 20.2,40.77 21.94,39.03 22.29,39.03 ; 20.2,44.1 U1#2.24 ; FB2.2 22.29,39.03
GND: length 5.8
  Top w0.2: J1.A1_B12 32.62,7.49 v1(32.96,7.83) ; J3#2.B1_A12 16.27,42.07 v1(16.45,42.25) ; v1(9.62,42.25) 9.87,42 J3#2.A1_B12 ; v1(39.26,7.65) 39.05,7.44 39.02,7.44 J1.B1_A12
/D+: length 23.5
  In2.Cu w0.2: v1(31.82,48.9) 14.63,48.9 v1(12.29,51.23)
  Bottom w0.2: U1#2.4 v1(31.82,48.9) ; v1(12.29,51.23) 12.29,52.91 R6.2
/D-: length 18.1
  In2.Cu w0.2: v1(28.84,49.7) 16.53,49.7 v1(14.75,51.48)
  Bottom w0.2: R5.2 v1(14.75,51.48) ; U1#2.3 v1(28.84,49.7)
/Pedal1: length 21.2
  Bottom w0.2: C9.1 14.2,58.68 14.13,58.61 ; R7#2.2 10.67,57.98 13.5,57.98 14.13,58.61 ; 14.13,58.61 17.03,55.71 17.03,54.8 19.89,51.95 22.45,51.95 U1#2.36
